# Altium PCB UM-64NNP-V1 rev 0.18_norail.PcbDoc (part 2 of 5) (continued)
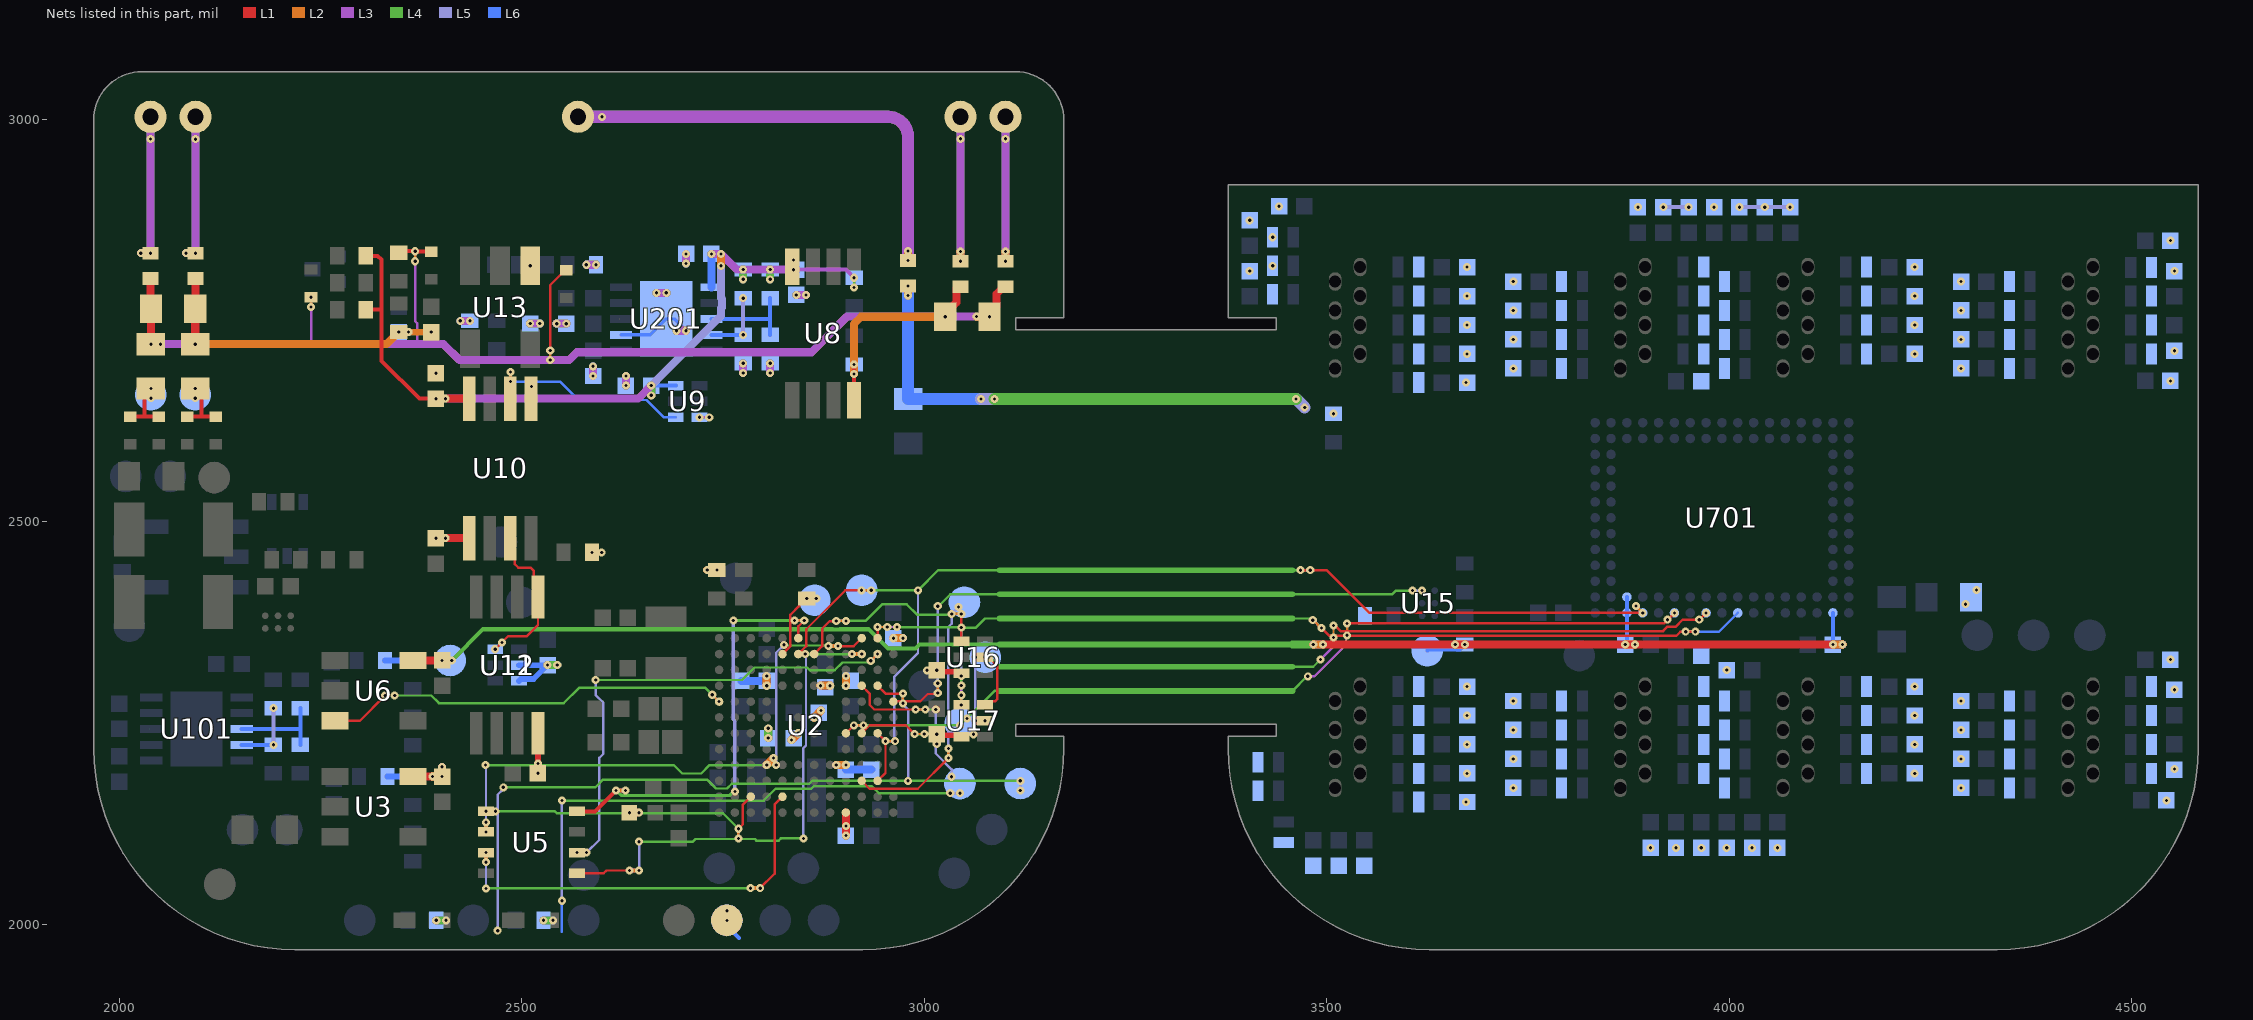
[diagram p6: the nets of this part, all layers, seen from the top]
## Nets (pads, with @x,y where several pads share a name; then routed paths per layer and width w, separated by ;. In a path a pad name is that pad's centre, name@x,y a point inside that pad or via, vN(x,y) a via of type N, cw(c..) or ccw(c..) an arc to the next point about the centre after c; other vN are vias at no path point) (continued)
  L4 w5: v4(2912.96,2683.56) v3(2912.96,2695.56)
  L4 w10: v5(2347.39,2735.73) v4(2359.39,2735.73) ; v4(2423.85,2749.7) v3(2435.85,2749.7) ; v3(2510.65,2746.36) v4(2522.65,2746.36) ; v4(2543.56,2746.12) v3(2555.56,2746.12) ; v2(2580.34,2819.35) v1(2592.34,2819.35) ; v3(2588.83,2681.16) v4(2588.83,2693.16) ; v3(2629.5,2669.19) v4(2629.5,2681.19) ; v2(2667.7,2784.51) v3(2679.7,2784.51) ; v4(2692.3,2737.39) v3(2704.3,2737.39) ; v2(2704.3,2820.74) v3(2704.3,2832.74) ; v4(2775.25,2684.91) v3(2775.25,2696.91) ; v2(2808.71,2684.91) v3(2808.71,2696.91) ; v3(2841.19,2781.79) v4(2853.19,2781.79)
  L2 w8: v5(2347.39,2735.73) v5(2387.74,2735.73)
  L2 w10: v5(2094.66,2720.69) 2332.35,2720.69 v5(2347.39,2735.73) v4(2359.39,2735.73) ; v4(2912.96,2683.56) v3(2912.96,2695.56) 2912.96,2745.98 2921.75,2754.76 v5(3026.14,2754.76)
  L5 w3: v3(2721.03,2629.82) v4(2733.03,2629.82)
  L5 w5: v4(2912.96,2683.56) v3(2912.96,2695.56)
  L5 w10: v5(2347.39,2735.73) v4(2359.39,2735.73) ; v4(2423.85,2749.7) v3(2435.85,2749.7) ; v3(2510.65,2746.36) v4(2522.65,2746.36) ; v4(2543.56,2746.12) v3(2555.56,2746.12) ; v2(2580.34,2819.35) v1(2592.34,2819.35) ; v3(2588.83,2681.16) v4(2588.83,2693.16) ; v3(2629.5,2669.19) v4(2629.5,2681.19) ; v2(2667.7,2784.51) v3(2679.7,2784.51) ; v4(2692.3,2737.39) v3(2704.3,2737.39) ; v2(2704.3,2820.74) v3(2704.3,2832.74) ; v4(2775.25,2684.91) v3(2775.25,2696.91) ; v2(2808.71,2684.91) v3(2808.71,2696.91) ; v3(2841.19,2781.79) v4(2853.19,2781.79)
  L6 w4: U201.2@2623.59,2732.34 2660.01,2732.34 U201.11@2679.7,2752.03 2689.66,2752.03 v3(2704.3,2737.39)
  other v1: 2721.03,2629.82 2629.5,2669.19 2588.83,2681.16 2912.96,2695.56 2775.25,2696.91 2808.71,2696.91 2347.39,2735.73 2704.3,2737.39 2510.65,2746.36 2555.56,2746.12 2435.85,2749.7 2841.19,2781.79 2679.7,2784.51 2704.3,2832.74
  other v2: 2733.03,2629.82 2629.5,2681.19 2912.96,2683.56 2775.25,2684.91 2588.83,2693.16 2359.39,2735.73 2692.3,2737.39 2522.65,2746.36 2543.56,2746.12 2423.85,2749.7 2853.19,2781.79
  other v3: 2347.39,2735.73 2592.34,2819.35
  other v4: 2808.71,2684.91 2667.7,2784.51 2580.34,2819.35 2704.3,2820.74
  other v5: 2512.27,2668.17 2393.52,2684.47 2912.96,2695.56 2510.65,2818.01
BUSB_ISO: C17.2 D6.2 D8.1 TP10.1 | length 110.4
  L1 w5: D6.2@2084.82,2630.73 2102.53,2630.73 ; C17.2@2102.53,2657.7 2102.53,2630.73 ; D8.1@2120.25,2630.73 2102.53,2630.73
  L3 w3: v2(2094.66,2653.57) v1(2094.66,2665.57)
  L4 w3: v2(2094.66,2653.57) v1(2094.66,2665.57)
  L2 w3: v2(2094.66,2653.57) v1(2094.66,2665.57)
  L5 w3: v2(2094.66,2653.57) v1(2094.66,2665.57)
  other v3: 2094.66,2665.57
  other v4: 2094.66,2653.57
  other v5: 2094.66,2665.57
BUSB_P1: FB2.1 X2.1 | length 331.7
  L3 w10: v4(2083.1,2833.65) v3(2095.1,2833.65) v7(2095.1,2975.34) X2.1@2095.1,2987.7
  L4 w10: v3(2095.1,2833.65) v7(2095.1,2975.34) X2.1@2095.1,2987.34
  L2 w10: v4(2083.1,2833.65) v3(2095.1,2833.65)
  other v5: 2095.1,2833.65
BUSB_P2: FB4.1 X4.1 | length 340.1
  L3 w10: v5(3044.94,2823.66) v4(3044.94,2835.66) v7(3044.94,2975.7) X4.1@3044.94,2987.76
  L4 w10: v5(3044.94,2823.66) v7(3044.94,2975.7) X4.1@3044.94,2987.7
  L2 w10: v5(3044.94,2823.66) v4(3044.94,2835.66)
  other v3: 3044.94,2823.66
BVDD: C20.2 C21.2 C22.2 C203.1 L201.2 R18.1 R19.1 R25.1 R201.1 R202.1 U8.8 U9.6 U10.8 U201.6 | length 1213.7
  L1 w5: R18.1@2306.43,2763.55 2326.01,2763.55 ; R19.1@2306.43,2830.48 2321.2,2830.48 2326.01,2825.67 2326.01,2763.55 ; v5(2393.52,2652.97) 2372.99,2652.97 2326.01,2699.95 2326.01,2763.55
  L1 w10: v5(2393.52,2652.97) U10.8@2434.86,2652.97
  L3 w5: v3@2841.19,2813.29 2902.89,2813.29 v3(2912.96,2803.21)
  L3 w10: v4(2405.52,2652.97) 2644.78,2652.97 v3(2661,2669.19) ; v3(2735.8,2832.74) v4(2747.8,2832.74) 2767.25,2813.29 v3(2775.25,2813.29) v3(2808.71,2813.29) v3@2837.59,2813.29 ; v3(2837.59,2813.2) v3@2837.59,2813.29 ; v2(2837.59,2825.2) v3@2837.59,2813.29 ; v3@2841.19,2813.29 v3@2837.59,2813.29
  L4 w3: v2(2912.96,2791.21) v3(2912.96,2803.21)
  L4 w10: v2(2661,2657.19) v3(2661,2669.19) ; v3(2735.8,2832.74) v4(2747.8,2832.74) ; v2(2775.25,2801.29) v3(2775.25,2813.29) ; v2(2808.71,2801.29) v3(2808.71,2813.29) ; v3(2837.59,2813.2) v2(2837.59,2825.2)
  L2 w3: v5(2393.52,2652.97) v4(2405.52,2652.97)
  L2 w10: v5(2747.8,2818.01) v4(2747.8,2832.74) ; v3(2837.59,2813.2) v2(2837.59,2825.2)
  L5 w3: v2(2912.96,2791.21) v3(2912.96,2803.21)
  L5 w10: v2(2661,2657.19) v3(2661,2669.19) 2747.8,2755.99 2747.8,2765.33 2748.8,2766.33 2748.8,2777.1 2747.8,2778.1 v4(2747.8,2832.74) v3(2735.8,2832.74) ; v2(2775.25,2801.29) v3(2775.25,2813.29) ; v2(2808.71,2801.29) v3(2808.71,2813.29) ; v3(2837.59,2813.2) v2(2837.59,2825.2)
  L6 w5: v3(2661,2669.19) U9.6@2691.5,2669.19
  L6 w10: U201.6@2735.8,2791.4 v3(2735.8,2832.74)
  other v1: 2661,2669.19 2912.96,2803.21 2775.25,2813.29 2808.71,2813.29 2837.59,2813.2 2735.8,2832.74
  other v2: 2747.8,2832.74
  other v4: 2837.59,2825.2
  other v5: 2837.59,2813.2
CMPX: U10.3 U11.1 U12.3 | length 244.5
  L1 w3: v5(2467.2,2341.76) 2483.47,2358.03 2506.48,2358.03 2520.35,2371.89 U11.1@2520.35,2406.72 2515.28,2411.8 2515.28,2438.78 2510.88,2443.17 2495.81,2443.17 2491.42,2447.56 2491.42,2474.37 U10.3@2486.04,2479.74
  L3 w3: v5(2467.2,2341.76) v4(2475.69,2350.24)
  L4 w3: v5(2467.2,2341.76) v4(2475.69,2350.24)
  L2 w3: v5(2467.2,2341.76) v4(2475.69,2350.24)
  L5 w3: v5(2467.2,2341.76) v4(2475.69,2350.24)
  other v1: 2467.2,2341.76
  other v2: 2475.69,2350.24
  other v3: 2467.2,2341.76
CMPXBUS: U9.4 U10.6 | length 271.9
  L3 w3: v1(2486.04,2674.23) v2(2486.04,2686.23)
  L4 w3: v1(2486.04,2674.23) v2(2486.04,2686.23)
  L2 w3: v1(2486.04,2674.23) v2(2486.04,2686.23)
  L5 w3: v1(2486.04,2674.23) v2(2486.04,2686.23)
  L6 w3: v1(2486.04,2674.23) 2547.64,2674.23 2570.56,2651.31 2655.25,2651.31 2676.74,2629.82 U9.4@2691.5,2629.82
  other v3: 2486.04,2674.23
  other v4: 2486.04,2686.23
  other v5: 2486.04,2674.23
D0: R102.2 R104.1 U101.9 | length 85
  L5 w5: v1(2191.77,2223.06) v1(2191.77,2268.57)
  L6 w5: U101.9@2152.32,2223.06 v1(2191.77,2223.06)
D1: R101.2 R103.1 U101.8 | length 118.4
  L6 w5: U101.8@2152.32,2242.75 2225.24,2242.75 ; R103.1@2225.24,2223.06 2225.24,2242.75 ; R101.2@2225.24,2268.57 2225.24,2242.75
DEBUG_RXD: TP13.1 U2.D11 | length 1017.9
  L1 w3: U2.D11@2942.14,2296.49 2951.96,2286.67 v5(2973.53,2286.67)
  L3 w3: v2(2973.53,2274.67) v5(2973.53,2286.67)
  L4 w3: v6(2477.32,2170.31) 2591.71,2170.31 2601.21,2179.81 2730.43,2179.81 2741.36,2168.88 2755.23,2168.88 2761.04,2174.69 2857.48,2174.69 2861.17,2178.38 v6(2980,2178.38) v2(3119.4,2178.38) ; v2(2973.53,2274.67) v5(2973.53,2286.67)
  L2 w3: v2(2973.53,2274.67) v5(2973.53,2286.67)
  L5 w3: v1(2470.29,1992.19) 2470.29,2161.39 2477.32,2168.41 v6(2477.32,2170.31) ; v2(2973.53,2274.67) 2973.53,2273.32 2980,2266.85 v6(2980,2178.38) ; v1(3119.4,2166.38) v2(3119.4,2178.38)
  other v3: 2973.53,2286.67
  other v4: 2973.53,2274.67
DEBUG_TXD: TP14.1 U2.D10 | length 896.2
  L1 w3: U2.D10@2922.46,2296.49 2932.27,2286.67 2932.27,2272.79 2938.08,2266.99 v5(2989.46,2266.99)
  L3 w3: v5(2989.46,2266.99) v4(3001.46,2266.99)
  L4 w3: v6(2550.02,2153.81) 2678.19,2153.81 2701.8,2153.8 2758.54,2153.8 2767.07,2153.8 2800.72,2153.81 2815.6,2168.69 2859.96,2168.69 2862.69,2171.42 2935.16,2171.42 2943.71,2162.88 3032.28,2162.88 v6(3032.4,2163) ; v5(2989.46,2266.99) v2(3014.4,2266.99)
  L2 w3: v5(2989.46,2266.99) v4(3001.46,2266.99)
  L5 w3: v1(2550,2029.44) v6(2550.02,2153.81) ; v2(3014.4,2266.99) 3014.4,2212.26 3034.06,2192.6 v1(3034.06,2183.42) ; v6(3032.4,2163) v1(3044.4,2163)
  L6 w3: 2550,1990.83 v1(2550,2029.44)
  other v3: 2989.46,2266.99
DVDD: C6.1 C8.1 C9.1 C12.1 C14.1 C16.1 C23.2 C25.1 C26.2 C27.2 C28.1 C34.1 C35.1 C40.1 C41.2 C42.2 C43.1 L6.1 R6.1 R11.1 R15.2 R16.1 R24.1 R78.1 TP9.1 TP34.1 U2.A12 U2.D4 U2.D8 U2.D9 U2.F7 U2.G6 U2.J4 U2.J9 U2.M9 U3.5 U10.1 U11.8 U12.5 U12.6 U16.6 U17.3 U17.5 | length 1177.7
  L1 w7: v5(2520.35,2187.82) U11.8@2520.35,2237.43 ; C42.2@3015.64,2236.77 3017.38,2235.03 3044.4,2235.03 U17.3@3046.14,2233.29 ; v5(3015.63,2315.66) 3017.37,2313.92 3044.4,2313.92 U16.6@3046.14,2312.18
  L1 w10: U3.5@2364.84,2183.71 v1(2401.26,2183.71) ; v5(2393.52,2479.74) U10.1@2434.86,2479.74 ; v3(2902.77,2110.42) U2.M9@2902.77,2139.01
  L3 w5: v5(2587.42,2462.03) v4(2599.42,2462.03)
  L3 w10: v1(2401.26,2183.71) v2(2401.26,2195.71) ; v5(2755,2005) v4(2755,2017) ; v5(2804.35,2296.49) v4(2804.35,2308.49) ; v4(2835.23,2228.95) v5(2843.72,2237.43) ; v5(2863.4,2257.12) v4(2871.89,2265.6) ; v4(2871.09,2296.49) v5(2883.09,2296.49) ; v4(2890.77,2198.06) v5(2902.77,2198.06) ; v3(2902.77,2110.42) v4(2902.77,2122.42) ; v5(2902.77,2296.49) v4(2902.77,2308.49) ; v5(2961.83,2355.54) v4(2973.83,2355.54)
  L4 w10: v1(2393.97,2005.11) v2(2405.97,2005.11) ; v1(2401.26,2183.71) v2(2401.26,2195.71) ; v3(2527.06,2005.11) v2(2539.06,2005.11) ; v1(2532.24,2322.07) v2(2544.24,2322.07) ; v5(2755,2005) v4(2755,2017) ; v5(2804.35,2296.49) v4(2804.35,2308.49) ; v3(2806.31,2231.53) v2(2806.31,2243.53) ; v4(2835.23,2228.95) v5(2843.72,2237.43) ; v5(2863.4,2257.12) v4(2871.89,2265.6) ; v4(2871.09,2296.49) v5(2883.09,2296.49) ; v4(2890.77,2198.06) v5(2902.77,2198.06) ; v3(2902.77,2110.42) v4(2902.77,2122.42) ; v5(2902.77,2296.49) v4(2902.77,2308.49) ; v5(2961.83,2355.54) v4(2973.83,2355.54)
  L2 w5: v5(2587.42,2462.03) v4(2599.42,2462.03) ; v4(3003.63,2315.66) v5(3015.63,2315.66) ; v4(3015.63,2224.24) v5(3015.63,2236.24) ; v4(3063.67,2252.97) v5(3075.67,2252.97)
  L2 w10: v4(2389.26,2183.71) v1(2401.26,2183.71) v2(2401.26,2195.71) ; v5(2393.52,2479.74) v4(2405.52,2479.74) ; v5(2520.35,2187.82) v4(2520.35,2199.82) ; v5(2633.87,2138.81) v4(2645.87,2138.81) ; v4(2730.57,2440.19) v5(2742.57,2440.19) ; v5(2755,2005) v4(2755,2017) ; v5(2804.35,2198.06) v4(2812.83,2206.55) ; v5(2804.35,2296.49) v4(2804.35,2308.49) ; v4(2835.23,2228.95) v5(2843.72,2237.43) ; v5(2863.4,2257.12) v4(2871.89,2265.6) ; v4(2871.09,2296.49) v5(2883.09,2296.49) ; v4(2890.77,2198.06) v5(2902.77,2198.06) ; v3(2902.77,2110.42) v4(2902.77,2122.42) ; v5(2902.77,2296.49) v4(2902.77,2308.49) ; v5(2961.83,2355.54) v4(2973.83,2355.54)
  L5 w10: v1(2393.97,2005.11) v2(2405.97,2005.11) ; v1(2401.26,2183.71) v2(2401.26,2195.71) ; v3(2527.06,2005.11) v2(2539.06,2005.11) ; v1(2532.24,2322.07) v2(2544.24,2322.07) ; v5(2755,2005) v4(2755,2017) ; v5(2804.35,2296.49) v4(2804.35,2308.49) ; v3(2806.31,2231.53) v2(2806.31,2243.53) ; v4(2835.23,2228.95) v5(2843.72,2237.43) ; v5(2863.4,2257.12) v4(2871.89,2265.6) ; v4(2871.09,2296.49) v5(2883.09,2296.49) ; v4(2890.77,2198.06) v5(2902.77,2198.06) ; v3(2902.77,2110.42) v4(2902.77,2122.42) ; v5(2902.77,2296.49) v4(2902.77,2308.49) ; v5(2961.83,2355.54) v4(2973.83,2355.54)
  L6 w5: v5(2755,2005) 2755,1998.42 2770,1983.42
  L6 w7: R6.1@2333.34,2183.71 R11.1@2364.84,2183.71 v1(2401.26,2183.71) ; U12.6@2496.73,2302.39 2499.14,2304.79 2514.96,2304.79 v1(2532.24,2322.07) U12.5@2496.73,2322.07
  L6 w10: v5(2755,2005) v4(2755,2017) ; C28.1@2772.85,2302.39 C34.1@2804.35,2302.39 ; C43.1@2902.77,2192.16 C40.1@2934.27,2192.16
  other v1: 2527.06,2005.11 2755,2005 2902.77,2110.42 2902.77,2198.06 2806.31,2231.53 2843.72,2237.43 2863.4,2257.12 2804.35,2296.49 2883.09,2296.49 2902.77,2296.49 2961.83,2355.54
  other v2: 2755,2017 2902.77,2122.42 2890.77,2198.06 2835.23,2228.95 2871.89,2265.6 2871.09,2296.49 2804.35,2308.49 2902.77,2308.49 2973.83,2355.54
  other v3: 2393.97,2005.11 2755,2005 2401.26,2183.71 2902.77,2198.06 2843.72,2237.43 2863.4,2257.12 2804.35,2296.49 2883.09,2296.49 2902.77,2296.49 2532.24,2322.07 2961.83,2355.54
  other v4: 2401.26,2195.71
  other v5: 2902.77,2110.42 2401.26,2183.71
DVDD_EMG: C19.1 C701.2 C702.2 R17.1 R20.1 R35.1 TP12.1 TP38.1 U6.5 U701.M15 U701.N2 U701.N15 | length 2213
  L1 w10: U6.5@2364.84,2327.82 v5(2401.26,2327.82) ; v3(3495.32,2347.61) 3495.46,2347.75 v1(4128.65,2347.75)
  L3 w5: v5(2401.26,2327.82) v4(2413.26,2327.82)
  L3 w10: v4(3483.32,2347.61) v3(3495.32,2347.61) ; v4(3659.51,2347.63) v5(3671.51,2347.63) ; v5(3870.77,2347.73) v4(3882.77,2347.73) ; v1(4128.65,2347.75) v2(4140.65,2347.75)
  L4 w5: v5(2401.26,2327.82) v4(2413.26,2327.82) 2452.07,2366.63 2886.33,2366.63 2886.42,2366.54 2895.12,2366.54 2895.21,2366.63 2930.98,2366.63 2955.17,2342.44 2989.04,2342.44 2994.21,2347.61 3093.5,2347.61
  L4 w7: 3093.5,2347.61 3457.5,2347.61
  L4 w10: 3457.5,2347.61 v3(3495.32,2347.61) ; v4(3659.51,2347.63) v5(3671.51,2347.63) ; v5(3870.77,2347.73) v4(3882.77,2347.73) ; v1(4128.65,2347.75) v2(4140.65,2347.75)
  L2 w5: v5(2401.26,2327.82) v4(2413.26,2327.82)
  L2 w10: v4(3483.32,2347.61) v3(3495.32,2347.61) ; v4(3659.51,2347.63) v5(3671.51,2347.63) ; v5(3870.77,2347.73) v4(3882.77,2347.73) ; v1(4128.65,2347.75) v2(4140.65,2347.75)
  L5 w5: v5(2401.26,2327.82) v4(2413.26,2327.82)
  L5 w10: v4(3659.51,2347.63) v5(3671.51,2347.63) ; v5(3870.77,2347.73) v4(3882.77,2347.73) ; v1(4128.65,2347.75) v2(4140.65,2347.75)
  L6 w5: TP38.1@3625,2340 3626.39,2341.39 3665.27,2341.39 v5(3671.51,2347.63) ; C701.2@3872.74,2349.59 U701.N15@3872.74,2386.96 U701.M15@3872.74,2406.64 ; v1(4128.65,2347.75) U701.N2@4128.65,2386.96
  L6 w7: R17.1@2330.39,2327.82 v5(2401.26,2327.82)
  other v1: 2401.26,2327.82 3671.51,2347.63 3870.77,2347.73
  other v2: 2413.26,2327.82 3659.51,2347.63 3882.77,2347.73
  other v3: 2401.26,2327.82 3671.51,2347.63 3870.77,2347.73 4128.65,2347.75
  other v4: 4140.65,2347.75
  other v5: 3495.32,2347.61 4128.65,2347.75
DVDD_EMG_EN: U2.E1 U6.3 | length 556.7
  L1 w3: U6.3@2268.38,2253.02 2299.08,2253.02 v3(2330.39,2284.32)
  L3 w3: v3(2330.39,2284.32) v4(2342.39,2284.32) ; v4(2736.8,2285.29) v5(2745.29,2276.8)
  L4 w3: v3(2330.39,2284.32) 2387.82,2284.32 2397.32,2274.82 2552.4,2274.82 2571.35,2293.77 2728.32,2293.77 v5(2745.29,2276.8)
  L2 w3: v3(2330.39,2284.32) v4(2342.39,2284.32) ; v4(2736.8,2285.29) v5(2745.29,2276.8)
  other v3: 2745.29,2276.8
  other v5: 2330.39,2284.32
EMG_CSn: U2.A11 U17.1 U701.N8 | length 1282.3
  L1 w3: U2.A11@2942.14,2355.54 v5(2942.14,2369.42) ; v5(3493.6,2368) 3503.21,2358.39 3934.09,2358.39 3939.27,2363.56 v3(3957.75,2363.56)
  L3 w3: v4(2954.14,2369.42) v3(2966.14,2369.42) ; v4(3046.14,2284.66) v3(3046.14,2296.66) ; v4(3482.62,2377.92) 3483.14,2377.92 3493.07,2368 v5(3493.6,2368) ; v4(3945.75,2363.56) v3(3957.75,2363.56)
  L4 w3: v3(2966.14,2369.42) 2966.53,2369.03 3045.75,2369.03 v2(3046.14,2368.64) 3064.31,2368.64 3075.67,2380 3093.5,2380 ; v3(3046.14,2296.66) v6(3046.14,2308.66) ; 3457.5,2380 3481.6,2380 v5(3493.6,2368) ; v4(3945.75,2363.56) v3(3957.75,2363.56)
  L4 w7: 3093.5,2380 3457.5,2380
  L2 w3: v5(2942.14,2369.42) v4(2954.14,2369.42) ; v5(3046.14,2272.66) v4(3046.14,2284.66) ; v4(3482.62,2377.92) 3483.14,2377.92 3493.07,2368 v5(3493.6,2368) ; v4(3945.75,2363.56) v3(3957.75,2363.56)
  L5 w3: v6(3046.14,2308.66) v2(3046.14,2368.64) ; v4(3945.75,2363.56) v3(3957.75,2363.56)
  L6 w3: v3(3957.75,2363.56) 3987.14,2363.56 U701.N8@4010.54,2386.96
  other v1: 3957.75,2363.56
  other v2: 3945.75,2363.56
  other v3: 3493.6,2368
  other v5: 3957.75,2363.56
EMG_MISO: TP28.1 U2.B6 U2.G11 U2.K11 U701.N14 | length 1537.1
  L1 w3: U2.B6@2843.72,2335.86 2853.59,2345.73 2853.59,2366.63 2901.91,2414.95 v1(2922.28,2414.95) ; U2.K11@2942.14,2178.38 2951.96,2188.19 v5(2951.96,2227.62) U2.G11@2942.14,2237.43 ; v3(3467.5,2440) 3499.91,2440 3552.95,2386.96 v1(3892.42,2386.96)
  L3 w3: v1(2922.28,2414.95) v4(2934.28,2414.95) ; v5(2951.96,2227.62) v2(2963.96,2227.62) ; v3(3467.5,2440) v4(3479.5,2440) ; v2(3883.93,2395.44) v1(3892.42,2386.96)
  L4 w3: v1(2922.28,2414.95) v4(2934.28,2414.95) v6(2992.36,2414.95) 3017.41,2440 3093.5,2440 ; v5(2951.96,2227.62) v2(2963.96,2227.62) ; 3457.5,2440 v3(3467.5,2440) ; v2(3883.93,2395.44) v1(3892.42,2386.96)
  L4 w7: 3093.5,2440 3457.5,2440
  L2 w3: v1(2922.28,2414.95) v4(2934.28,2414.95) ; v5(2951.96,2227.62) v2(2963.96,2227.62) ; v3(3467.5,2440) v4(3479.5,2440) ; v2(3883.93,2395.44) v1(3892.42,2386.96)
  L5 w3: v1(2922.28,2414.95) v4(2934.28,2414.95) ; v2(2963.96,2227.62) 2963.03,2228.54 2963.03,2307.78 2992.36,2337.1 v6(2992.36,2414.95) ; v2(3883.93,2395.44) v1(3892.42,2386.96)
  other v2: 2934.28,2414.95
  other v3: 2951.96,2227.62 3892.42,2386.96 2922.28,2414.95
  other v4: 2963.96,2227.62 3883.93,2395.44
  other v5: 3892.42,2386.96 2922.28,2414.95 3467.5,2440
EMG_MOSI: TP27.1 U2.G9 U701.N12 | length 1189.7
  L1 w3: U2.G9@2902.77,2237.43 v3(2912.64,2247.3) ; v5(3525.24,2373.89) 3918.72,2373.89 v1(3931.79,2386.96)
  L3 w3: v3(2912.64,2247.3) v4(2924.64,2247.3) ; v3(3476.5,2308.19) 3484.79,2308.19 3523.9,2347.3 3523.9,2357.7 v4(3525.24,2359.04) ; v2(3923.3,2378.47) v1(3931.79,2386.96)
  L4 w3: v3(2912.64,2247.3) v2(3044.68,2247.3) 3087.38,2290 3093.5,2290 ; 3457.44,2290 3457.5,2290.06 3475.64,2308.19 v3(3476.5,2308.19) ; v2(3923.3,2378.47) v1(3931.79,2386.96)
  L4 w7: 3093.5,2290 3457.44,2290
  L2 w3: v3(2912.64,2247.3) v4(2924.64,2247.3) ; v4(3525.24,2359.04) v5(3525.24,2373.89) ; v2(3923.3,2378.47) v1(3931.79,2386.96)
  L5 w3: v2(3044.68,2247.3) v1(3053.17,2255.79) ; v2(3923.3,2378.47) v1(3931.79,2386.96)
  other v3: 3931.79,2386.96
  other v4: 3923.3,2378.47
  other v5: 2912.64,2247.3 3931.79,2386.96
EMG_SCK: TP29.1 U2.G10 U16.2 U17.6 U701.N10 | length 1385.7
  L1 w3: U2.G10@2922.46,2237.43 2932.33,2247.3 2977.36,2247.3 v3(2988.18,2236.49) ; U17.6@3075.67,2272.66 3080.08,2277.06 3087.97,2277.06 3090.61,2279.7 3090.61,2320.83 3084.01,2327.44 3079.6,2331.86 v1(3075.67,2331.86) ; v5(3508.35,2371.19) 3510.24,2371.19 3517.04,2364.39 3917.7,2364.39 3922.79,2369.47 3932.96,2369.47 3941.96,2378.47 v2(3962.67,2378.47) v1(3971.16,2386.96)
  L3 w3: v3(2988.18,2236.49) v4(3000.18,2236.49) ; v2(3063.67,2331.86) v1(3075.67,2331.86) ; v3(3492.29,2329.12) 3508.35,2345.18 v4(3508.35,2356.21) ; v2(3962.67,2378.47) v1(3971.16,2386.96)
  L4 w3: v3(2988.18,2236.49) 2988.3,2236.36 3061.19,2236.36 v6(3061.31,2236.24) ; v2(3063.67,2331.86) v1(3075.67,2331.86) ; 3081.64,2331.86 3093.5,2320 ; 3457.5,2320 3483.16,2320 v3(3492.29,2329.12) ; v2(3962.67,2378.47) v1(3971.16,2386.96)
  L4 w7: 3093.5,2320 3457.5,2320
  L2 w3: v3(2988.18,2236.49) v4(3000.18,2236.49) ; v2(3063.67,2331.86) v1(3075.67,2331.86) ; v4(3508.35,2356.21) v5(3508.35,2371.19) ; v2(3962.67,2378.47) v1(3971.16,2386.96)
  L5 w3: v6(3061.31,2236.24) 3061.31,2250.5 3063.67,2252.85 v2(3063.67,2331.86) v1(3075.67,2331.86) ; v2(3962.67,2378.47) v1(3971.16,2386.96)
  other v3: 3075.67,2331.86 3971.16,2386.96
  other v4: 3063.67,2331.86 3962.67,2378.47
  other v5: 2988.18,2236.49 3075.67,2331.86 3971.16,2386.96
EMG_SCKB: TP41.1 U2.B7 U2.K10 U16.4 | length 653.3
  L1 w3: U2.B7@2863.4,2335.86 2873.27,2345.73 2873.27,2367.28 2882.56,2376.57 2890.3,2376.57 v3(2890.77,2377.04) ; U2.K10@2922.46,2178.38 2932.27,2168.56 2992.07,2168.56 v5(3030.05,2206.55) ; U16.4@3046.14,2351.55 v5(3046.14,2385.73)
  L3 w3: v3(2890.77,2377.04) v4(2902.77,2377.04) ; v5(3030.05,2206.55) v2(3030.05,2218.55) ; v4(3034.14,2385.73) v5(3046.14,2385.73)
  L4 w3: v3@2890.54,2377.04 v3(2890.77,2377.04) 2927.13,2377.04 2947.63,2397.54 2978.34,2397.54 2991.11,2384.76 3021.82,2384.76 ; 3021.83,2384.77 3033.18,2384.77 v4(3034.14,2385.73) v5(3046.14,2385.73) ; v5(3030.05,2206.55) v2(3030.05,2218.55)
  L2 w3: v3(2890.77,2377.04) v4(2902.77,2377.04) ; v5(3030.05,2206.55) v2(3030.05,2218.55) ; v4(3034.14,2385.73) v5(3046.14,2385.73)
  L5 w3: v2(3030.05,2218.55) 3030.05,2369.42 3034.14,2373.51 v4(3034.14,2385.73) v1(3042.62,2394.21)
  other v2: 3034.14,2385.73
  other v3: 3030.05,2206.55 3046.14,2385.73
  other v4: 3030.05,2218.55
  other v5: 2890.77,2377.04
ENCL: C37.2 C811.1 C812.1 C813.1 C814.1 C815.1 C816.1 C817.1 C818.1 C821.1 C822.1 C823.1 C824.1 C825.1 C826.1 C827.1 C828.1 C831.1 C832.1 C833.1 C834.1 C835.1 C836.1 C837.1 C838.1 C841.1 C842.1 C843.1 C844.1 C845.1 C846.1 C847.1 C848.1 C851.1 C852.1 C853.1 C854.1 C855.1 C856.1 C857.1 C858.1 C861.1 C862.1 C863.1 C864.1 C865.1 C866.1 C867.1 C868.1 C871.1 C872.1 C873.1 C874.1 C875.1 C876.1 C877.1 C878.1 C881.1 C882.1 C883.1 C884.1 C885.1 C886.1 C887.1 C888.1 D811.2 D812.2 D813.2 D814.2 D815.2 D816.2 D817.2 D818.2 D821.2 D822.2 D823.2 D824.2 D825.2 D826.2 D827.2 D828.2 D831.2 D832.2 D833.2 D834.2 D835.2 D836.2 D837.2 D838.2 D841.2 D842.2 D843.2 D844.2 D845.2 D846.2 D847.2 D848.2 D851.2 D852.2 D853.2 D854.2 D855.2 D856.2 D857.2 D858.2 D861.2 D862.2 D863.2 D864.2 D865.2 D866.2 D867.2 D868.2 D871.2 D872.2 D873.2 D874.2 D875.2 D876.2 D877.2 D878.2 D881.2 D882.2 D883.2 D884.2 D885.2 D886.2 D887.2 D888.2 FB5.2 R4.1 R23.1 R34.1 | length 779.9
  L3 w10: v4(2980,2781.04) v5(2980,2793.04)
  L4 w10: v4(2980,2781.04) v5(2980,2793.04)
  L4 w15: v2(3087.48,2652.56) v2(3461.95,2652.56)
  L2 w10: v4(2980,2781.04) v5(2980,2793.04)
  L5 w5: v1(3918.01,2890.85) v1(3949.51,2890.85) ; v1(4012.5,2890.85) v1(4044,2890.85) v1(4075.49,2890.85)
  L5 w10: v4(2980,2781.04) v5(2980,2793.04)
  L5 w15: v1(3070.48,2652.56) v2(3087.48,2652.56) ; v2(3461.95,2652.56) v1(3472.56,2641.95)
  L6 w15: v5(2980,2793.04) C37.2@2980,2652.56 v1(3070.48,2652.56)
  other v1: 3902.26,2095.16 3933.76,2095.16 3965.26,2095.16 3996.75,2095.16 4028.25,2095.16 4059.74,2095.16 3672.94,2152.07 4542.84,2154.04 3731.76,2169.5 4287.76,2169.5 3674.25,2187.5 4230.25,2187.5 4552.75,2193.14 3731.76,2205.5 4287.76,2205.5 3674.25,2223.5 4230.25,2223.5 3731.76,2241.5 4287.76,2241.5 3674.25,2259.5 4230.25,2259.5 3731.76,2277.5 4287.76,2277.5 4552.75,2291.57 3674.25,2295.5 4230.25,2295.5 3996.77,2315.97 4547.84,2328.97 4293.16,2397.78 4306.94,2415.5 3508.35,2634.39 3672.94,2673.07 4547.84,2675.04 3731.76,2690.5 4287.76,2690.5 3674.25,2708.5 4230.25,2708.5 4552.75,2712.44 3731.76,2726.5 4287.76,2726.5 3674.25,2744.5 4230.25,2744.5 3731.76,2762.5 4287.76,2762.5 3674.25,2780.5 4230.25,2780.5 2980,2793.04 3731.76,2798.5 4287.76,2798.5 3404.26,2811.5 4552.75,2811.43 3674.25,2816.5 4230.25,2816.5 3432.79,2818.04 4547.84,2849.4 3432.79,2853.47 3404.26,2874.49 3886.52,2890.85 3981,2890.85 3440.75,2891.94
  other v2: 2980,2781.04
  other v3: 2980,2793.04
ENCL_P5: FB5.1 X5.1 | length 1129.5
  L3 w15: X5.1@2587.91,3003.12 v7(2599.91,3003.12) 2955,3003.12 cw(c2955,2978.12) 2980,2978.12 ; v5(2980,2824.54) v4(2980,2836.54) 2980,2975.7
  L4 w15: X5.1@2587.91,3003.12 v7(2599.91,3003.12) 2955,3003.12 cw(c2955,2978.12) 2980,2978.12 v5(2980,2824.54)
  L2 w10: v5(2980,2824.54) v4(2980,2836.54)
  other v3: 2980,2824.54
FRAM_CSn: U2.L3 U5.1 | length 417
  L1 w3: v5@2769.26,2118.7 v5(2769.26,2118.83) 2774.85,2124.41 2774.85,2148.88 U2.L3@2784.66,2158.69
  L3 w3: v3(2455.73,2140.46) v4(2467.73,2140.46) ; v4(2769.26,2106.83) v5(2769.26,2118.83)
  L4 w3: v3@2455.73,2140.22 2455.97,2140.46 2541.44,2140.46 2543.6,2138.31 2749.78,2138.31 v5(2769.26,2118.83)
  L2 w3: v3(2455.73,2140.46) v4(2467.73,2140.46) ; v4(2769.26,2106.83) v5(2769.26,2118.83)
  other v3: 2769.26,2118.83
  other v5: 2455.73,2140.46
FRAM_MISO: U2.A10 U5.2 | length 755.4
  L1 w3: v3(2892.93,2345.7) 2912.61,2345.7 U2.A10@2922.46,2355.54
  L3 w5: v5(2455.73,2114.87) v2(2455.73,2126.87) ; v4(2880.93,2345.7) v3(2892.93,2345.7)
  L4 w3: v6(2455.2,2197.94) 2688.99,2197.94 2699.46,2187.47 2723.08,2187.47 2733.55,2197.94 2816.04,2197.94 v6(2816.16,2198.06) ; v6(2826.01,2347.25) 2826.79,2346.47 2892.15,2346.47 v3(2892.93,2345.7)
  L4 w5: v5(2455.73,2114.87) v2(2455.73,2126.87)
  L2 w5: v5(2455.73,2114.87) v2(2455.73,2126.87) ; v4(2880.93,2345.7) v3(2892.93,2345.7)
  L5 w3: v6(2455.2,2197.94) 2455.73,2197.42 v2(2455.73,2126.87) ; v6(2816.16,2198.06) 2816.16,2257.88 2816.16,2337.39 v6(2826.01,2347.25)
  other v3: 2455.73,2114.87
  other v4: 2455.73,2126.87
  other v5: 2892.93,2345.7
FRAM_MOSI: U2.B10 U5.5 | length 670.5
  L1 w3: U5.5@2568.72,2063.69 2601.98,2063.69 2605.32,2067.03 v5(2633.88,2067.03)
  L3 w5: v5(2633.88,2067.03) v2(2645.88,2067.03) ; v4(2910.46,2335.86) v3(2922.46,2335.86)
  L4 w3: v6(2645.88,2102.81) 2712.84,2102.81 2716.09,2106.07 2789.69,2106.07 2791.59,2104.17 2819.43,2104.17 2822.09,2106.83 v6(2850,2106.83) ; v6(2852.28,2335.73) 2852.34,2335.8 2922.39,2335.8 v3(2922.46,2335.86)
  L4 w5: v5(2633.88,2067.03) v2(2645.88,2067.03)
  L2 w5: v5(2633.88,2067.03) v2(2645.88,2067.03) ; v4(2910.46,2335.86) v3(2922.46,2335.86)
  L5 w3: v2(2645.88,2067.03) v6(2645.88,2102.81) ; v6(2850,2106.83) 2850,2219 2853.22,2222.22 2853.22,2334.8 v6(2852.28,2335.73)
  other v3: 2633.88,2067.03
  other v4: 2645.88,2067.03
  other v5: 2922.46,2335.86
FRAM_SCK: U2.B11 U5.6 | length 653.3
  L3 w3: v5(2568.72,2089.28) v2(2580.72,2089.28) ; v4(2933.66,2327.37) v3(2942.14,2335.86)
  L4 w3: v5(2568.72,2089.28) v2(2580.72,2089.28) ; v6(2591.95,2303.55) 2773.64,2303.55 2789.24,2319.15 2854.51,2319.15 2857.97,2315.68 2888.82,2315.68 2898.41,2325.27 2931.56,2325.27 v3(2942.14,2335.86)
  L2 w3: v5(2568.72,2089.28) v2(2580.72,2089.28) ; v4(2933.66,2327.37) v3(2942.14,2335.86)
  L5 w3: v2(2580.72,2089.28) 2596.48,2105.04 2596.48,2206.79 2601.48,2211.79 2601.48,2257.88 2601.48,2271.88 2601.48,2275.49 2591.95,2285.02 v6(2591.95,2303.55)
  other v3: 2568.72,2089.28
  other v4: 2580.72,2089.28
  other v5: 2942.14,2335.86
FRAM_VDD: U2.A6 U5.8 | length 586.2
  L1 w3: U2.A6@2843.72,2355.54 2843.72,2370.28 v3(2851.07,2377.64)
  L1 w5: U5.8@2568.72,2140.46 2591.18,2140.46 v3(2617.17,2166.45)
  L3 w3: v4(2839.07,2377.64) v3(2851.07,2377.64)
  L3 w5: v3(2617.17,2166.45) v4(2629.17,2166.45)
  L4 w4: v3(2617.17,2166.45) 2617.54,2166.45 2623.69,2160.31 2680.89,2160.31 2758.47,2160.3 2763.35,2165.19 v6(2764.98,2165.19) ; v6(2762.95,2377.64) v3(2851.07,2377.64)
  L2 w3: v4(2839.07,2377.64) v3(2851.07,2377.64)
  L2 w5: v3(2617.17,2166.45) v4(2629.17,2166.45)
  L5 w4: v6(2762.95,2377.64) 2762.85,2377.53 2762.85,2254.75 2764.82,2252.79 2764.82,2165.35 v6(2764.98,2165.19)
  other v5: 2617.17,2166.45 2851.07,2377.64
FRAM_WPn: U2.L5 U5.3 | length 558.3
  L1 w3: v3(2796.31,2045.04) 2814.16,2062.89 2814.16,2148.82 U2.L5@2824.03,2158.69
  L3 w5: v2(2455.73,2077.28) v5(2455.73,2089.28) ; v4(2784.31,2045.04) v3(2796.31,2045.04)
  L4 w3: v6(2455.76,2044.8) 2455.88,2044.92 2796.19,2044.92 v3(2796.31,2045.04)
  L4 w5: v2(2455.73,2077.28) v5(2455.73,2089.28)
  L2 w5: v2(2455.73,2077.28) v5(2455.73,2089.28) ; v4(2784.31,2045.04) v3(2796.31,2045.04)
  L5 w3: v6@2455.73,2044.83 v2(2455.73,2077.28)
  other v3: 2455.73,2089.28
  other v4: 2455.73,2077.28
  other v5: 2796.31,2045.04